# Altium PCB PCB1.PcbDoc
Units mm, origin at the board's own origin, x right, y up, seen from the top; angles counter-clockwise.
Board outline 84 x 54 mm, 2 copper layers (Top Layer, Bottom Layer); 85 components, 64 nets, 415 pads, 80 vias.
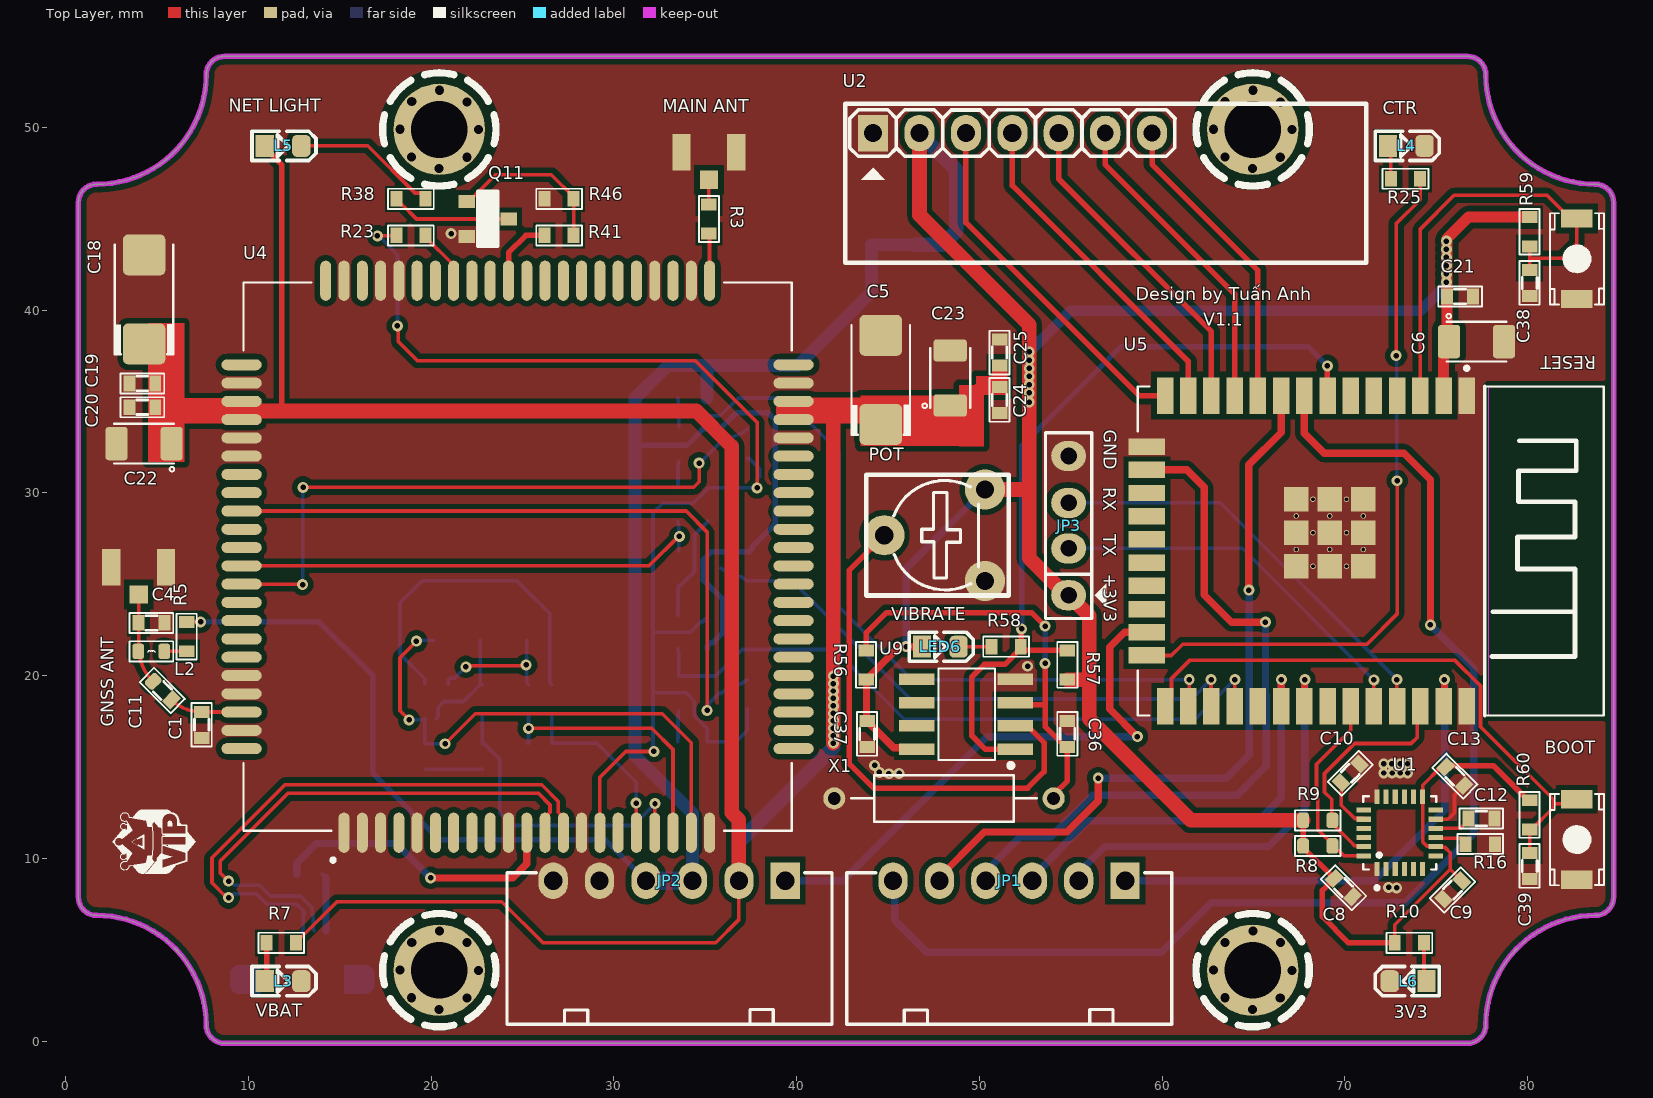
[diagram p0: Top Layer view]
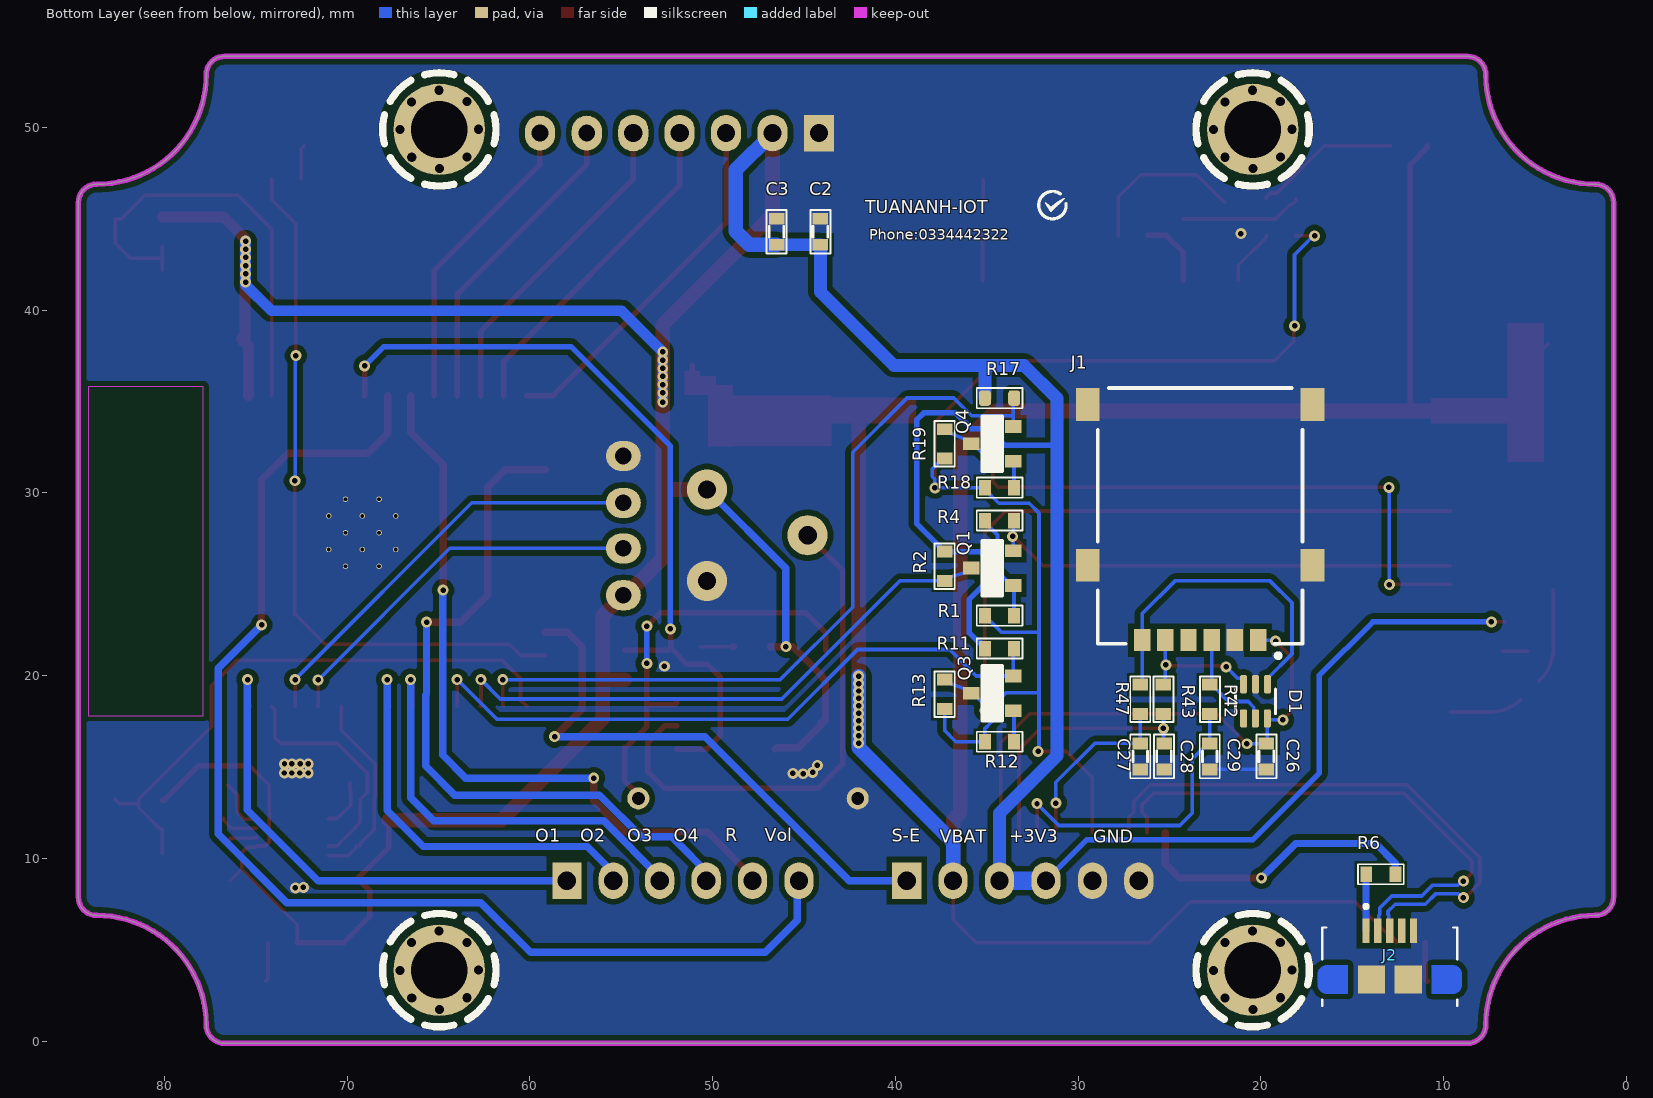
[diagram p1: Bottom Layer view, seen from below]
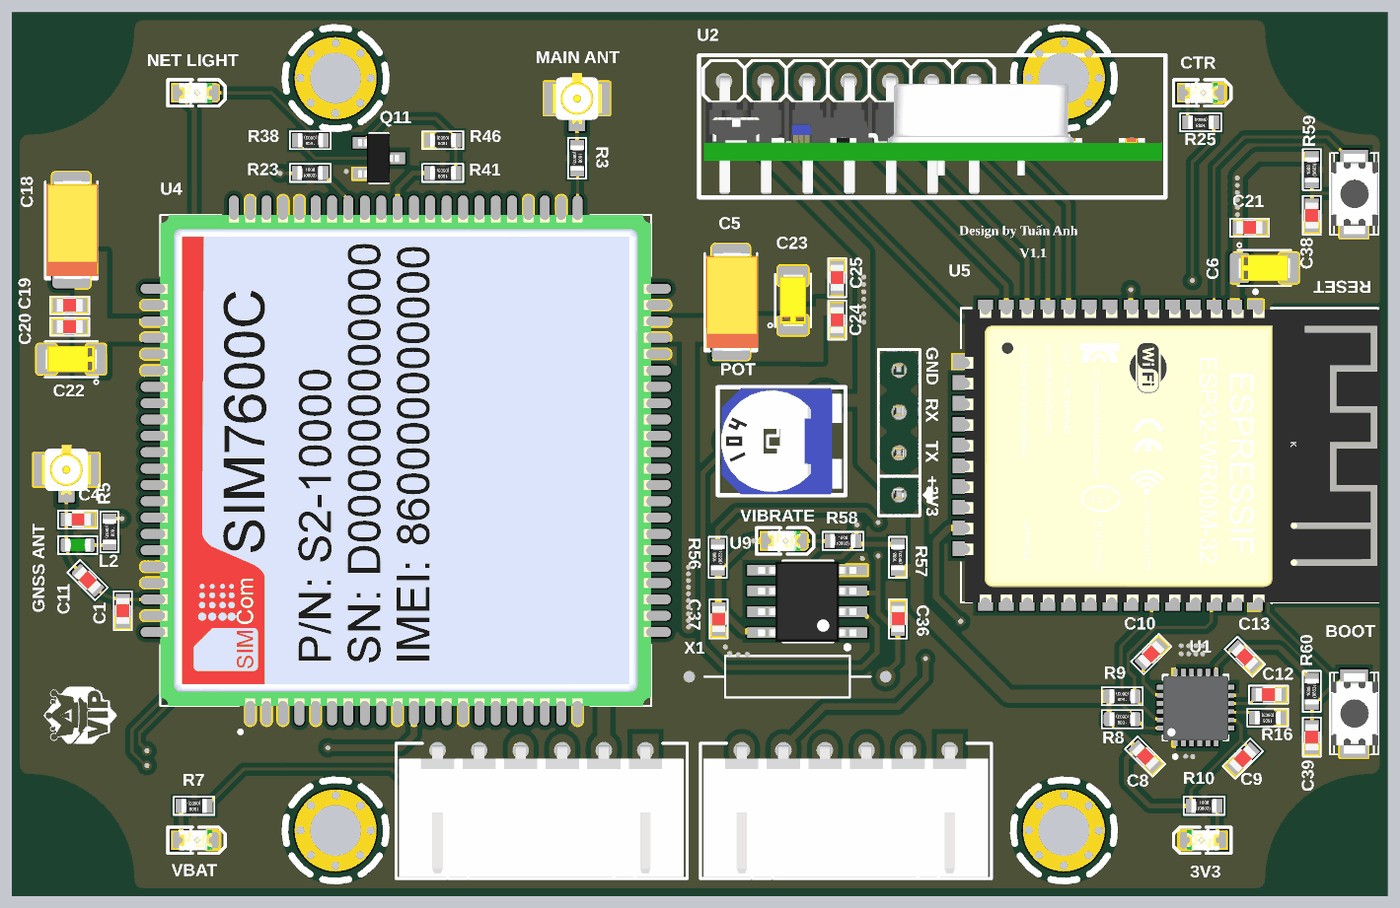
[diagram p2: 3D render of the assembled board from above, using the file's embedded part models]
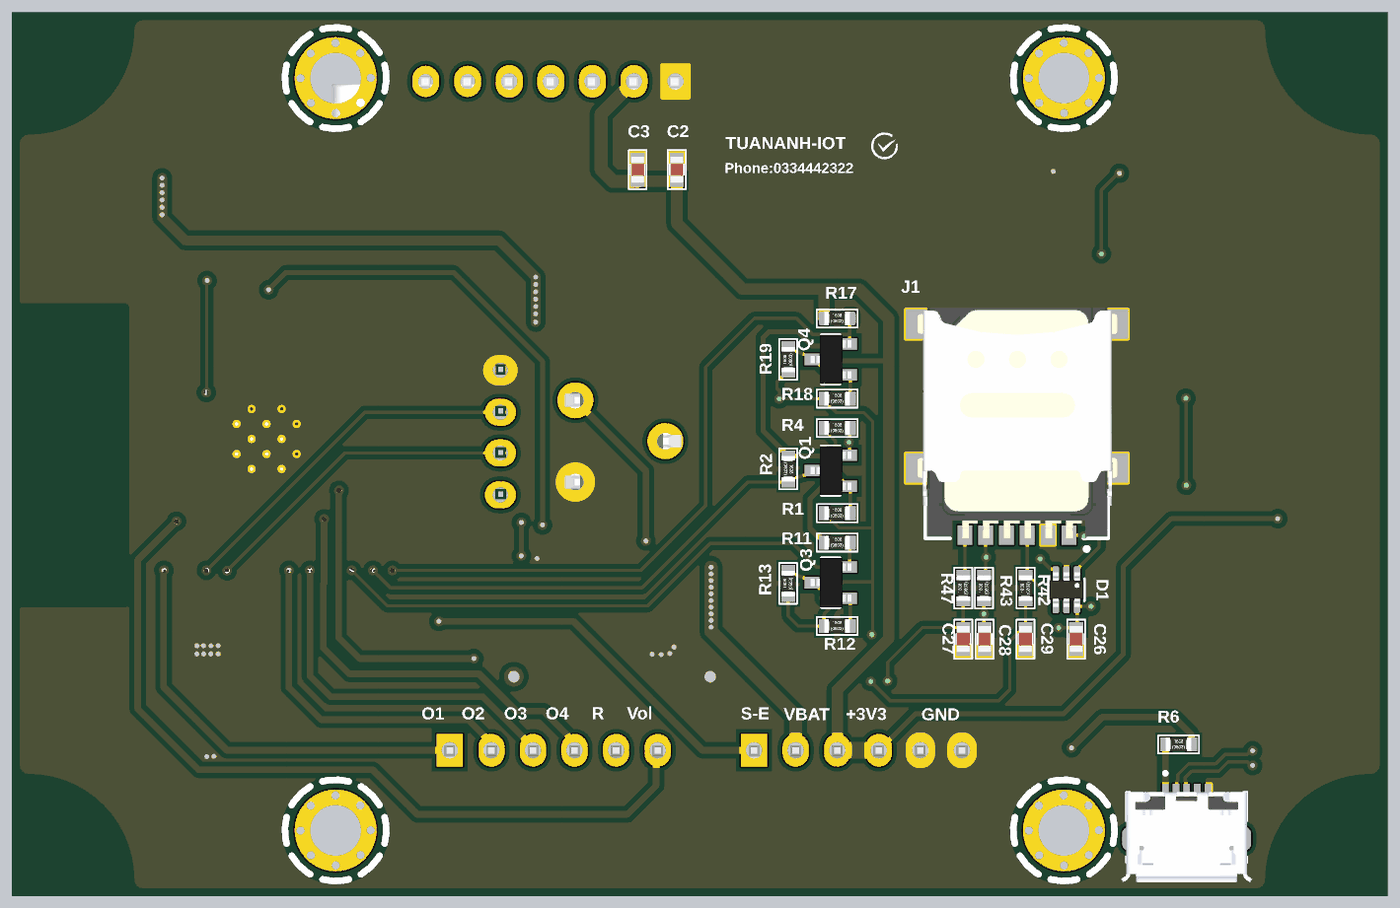
[diagram p3: 3D render of the assembled board from below, using the file's embedded part models]

## Layer stack, top to bottom
Top Solder: solder mask 0.0102, Solder Resist, Dk 3.5
Top Layer: signal copper 0.0356
Dielectric 1: dielectric 0.32, FR-4, Dk 4.8
Bottom Layer: signal copper 0.0356
Bottom Solder: solder mask 0.0102, Solder Resist, Dk 3.5

## Board outline
0.7,7.89 ccw(c1.7,7.89) 1.7,6.89 cw(c1.7,0.89) 7.7,0.89 ccw(c8.7,0.89) 8.7,-0.11 76.7,-0.11 ccw(c76.7,0.89) 77.7,0.89 cw(c83.7,0.89) 83.7,6.89 ccw(c83.7,7.89) 84.7,7.89 84.7,45.89 ccw(c83.7,45.89) 83.7,46.89 cw(c83.7,52.89) 77.7,52.89 ccw(c76.7,52.89) 76.7,53.89 8.7,53.89 ccw(c8.7,52.89) 7.7,52.89 cw(c1.7,52.89) 1.7,46.89 ccw(c1.7,45.89) 0.7,45.89

## Design rules (kind name [scope] priority, off if disabled: settings)
Clearance [All] p1: gap=0.2 ignorepadtopadclearanceinfootprint=FALSE
DiffPairsRouting [All] p1: maxlimit=0.254 minlimit=0.2 mostfreqgap=0.254 toplayer_minwidth=0.2 toplayer_maxwidth=0.381 toplayer_prefwidth=0.381 bottomlayer_minwidth=0.2 bottomlayer_maxwidth=0.381 bottomlayer_prefwidth=0.381 maxuncoupledlength=12.7
PlaneConnect [All] p1: planeconnectstyle=Direct reliefexpansion=0.508 reliefentries=4 reliefconductorwidth=0.254 reliefairgap=0.254
PolygonConnect [All] p1: connectstyle=Direct reliefconductorwidth=0.254 reliefentries=4 polygonreliefangle="90 Angle" airgapwidth=0.254
RoutingVias [All] p1: holewidth=0.2 width=0.6 viastyle="Through Hole" minholewidth=0.2 minwidth=0.6 maxholewidth=0.3 maxwidth=0.6
SolderMaskExpansion [All] p1: expansion=0.102 istentingtop=FALSE
Width [All] p1: maxlimit=3 minlimit=0.2 preferedwidth=0.4
28 further rules are at their usual default settings.

## Classes and differential pairs
differential pair NewDifferentialPair1: +D+ -D-

## Components (designator, comment, footprint, x,y, rotation, side; value= is the part's Value field where it differs from the comment)
BOOT "SW" BUTTON_3X4MM_2PIN 82.68,8.839 r90 top (schematic designator BOOT1)
C1 "NC" CAP-0603#1 7.451,17.315 r90 top value=0,047uF
C2 "4.7uF" CAP-0603#1 44.1,44.29 r90 bottom value=0,047uF
C3 "100nF" CAP-0603#1 46.5,44.29 r90 bottom value=0,047uF
C4 "NC" CAP-0603#1 4.7,22.89 r180 top value=0,047uF
C5 "220uF" "CAP-TANTALUM-2312 - ( 6032M )" 44.6,36.19 r90 top
C6 "1uF/16v" "CAP-TANTALUM-1206 - ( 3216 )" 77.2,38.29 r0 top
C8 "0.01uF" CAP-0603#1 69.915,8.41 r315 top value=0,047uF
C9 "1uF" CAP-0603#1 75.884,8.283 r225 top value=0,047uF
C10 "2200pF/2.2nF" CAP-0603#1 70.29,14.67 r225 top value=0,047uF
C11 "33pF" CAP-0603#2 5.3,19.19 r135 top value=0,047uF
C12 "0.1uF" CAP-0603#1 77.46,12.19 r180 top value=0,047uF
C13 "0.1uF" CAP-0603#1 76.011,14.506 r135 top value=0,047uF
C18 "220uF" "CAP-TANTALUM-2312 - ( 6032M )" 4.3,40.59 r90 top
C19 "100nF" CAP-0603#1 4.2,35.99 r0 top value=0,047uF
C20 "1uF" CAP-0603#1 4.2,34.69 r0 top value=0,047uF
C21 "100nF" CAP-0603#1 76.29,40.75 r0 top value=0,047uF
C22 "100uF" "CAP-TANTALUM-1206 - ( 3216 )" 4.3,32.69 r180 top
C23 "100uF/6.3v" "CAP-TANTALUM-1206 - ( 3216 )" 48.39,36.295 r90 top
C24 "1uF" CAP-0603#1 51.1,35.09 r90 top value=0,047uF
C25 "0.01uF" CAP-0603#1 51.1,37.69 r270 top value=0,047uF
C26 "100nF" CAP-0603#1 19.7,15.59 r270 bottom value=0,047uF
C27 "22pF" CAP-0603#1 26.6,15.59 r270 bottom value=0,047uF
C28 "22pF" CAP-0603#1 25.3,15.59 r270 bottom value=0,047uF
C29 "22pF" CAP-0603#1 22.8,15.59 r270 bottom value=0,047uF
C36 "100nF" CAP-0603#1 54.81,16.822 r270 top value=0,047uF
C37 "100nF" CAP-0603#1 43.853,16.812 r90 top value=0,047uF
C38 "10uF" CAP-0603#1 80.1,41.49 r90 top value=0,047uF
C39 "10uF" CAP-0603#1 80.1,9.59 r90 top value=0,047uF
D1 "SMF05C" SOT-363 20.3,18.59 r270 bottom
"GNSS ANT" "IPEX" IPEX-ANTEN 4.1,25.89 r0 top
J1 "SIM8060-6-0-14-00-A" NanoSim_BKK 23.326,28.745 r0 bottom
J2 "MICRO_USB" "MICRO_USB _PAD" 12.95,3.38 r180 bottom
JP1 "XHB-6A" XH2.54-6P_THRU 51.611,8.77 r180 top value=JP7
JP2 "XHB-6A" XH2.54-6P_THRU 33.02,8.77 r180 top value=JP7
JP3 "TTL" JP_4PIN 54.88,26.945 r90 top
L2 "47nH" IN-0603 4.625,21.39 r0 top
L3 "LED" LED_0805_smd 11.8,3.39 r0 top value=Red
L4 "LED" LED_0805_smd 73.254,49.09 r0 top value=Red
L5 "LED" LED_0805_smd 11.8,49.09 r0 top value=BLUE
L6 "LED" LED_0805_smd 73.554,3.19 r180 top value=Red
LED6 "SMD" LED_0805_smd 47.76,21.69 r0 top value=Red
"MAIN ANT" "IPEX" IPEX-ANTEN 35.3,48.59 r0 top
POT "VR?" Pot_trim 47.2,27.69 r270 top
Q1 "MMBT3904-1AM" SOT-23 34.7,25.89 r90 bottom
Q3 "MMBT3904-1AM" SOT-23 34.7,19.04 r90 bottom
Q4 "MMBT3904-1AM" SOT-23 34.7,32.69 r90 bottom
Q11 "C1815" SOT-23 23.1,44.99 r270 top
R1 "4k7" RES-0603#1 34.3,23.29 r180 bottom
R2 "4k7" RES-0603#1 37.3,25.99 r270 bottom
R3 "0R" RES-0603#1 35.2,44.99 r270 top
R4 "47K" RES-0603#1 34.3,28.49 r180 bottom
R5 "10R" RES-0603#1 6.63,22.14 r270 top
R6 "1K" RES-0603#1 13.44,9.14 r180 bottom
R7 "1K" RES-0603#1 11.8,5.39 r180 top
R8 "4.7K" RES-0603#2 68.51,10.69 r180 top
R9 "4.7K" RES-0603#2 68.51,12.09 r180 top
R10 "1K" RES-0603#1 73.52,5.39 r0 top
R11 "47K" RES-0603#1 34.3,21.49 r180 bottom
R12 "4K7" RES-0603#1 34.3,16.39 r180 bottom
R13 "4K7" RES-0603#1 37.3,18.99 r90 bottom
R16 "4.7K" RES-0603#1 77.4,10.79 r180 top
R17 "47K" RES-0603#2 34.3,35.19 r180 bottom
R18 "4k7" RES-0603#1 34.3,30.29 r180 bottom
R19 "4K7" RES-0603#1 37.3,32.69 r90 bottom
R23 "1K" RES-0603#1 18.9,44.09 r0 top
R25 "1K" RES-0603#1 73.31,47.19 r180 top
R38 "1K" RES-0603#1 18.9,46.09 r180 top
R41 "4K7" RES-0603#1 27,44.09 r180 top
R42 "22R" RES-0603#1 22.791,18.712 r90 bottom
R43 "22R" RES-0603#1 25.331,18.712 r90 bottom
R46 "47K" RES-0603#1 27,46.09 r180 top
R47 "22R" RES-0603#1 26.601,18.712 r90 bottom
R56 "10K" RES-0603#1 43.8,20.59 r90 top
R57 "10K" RES-0603#1 54.81,20.59 r90 top
R58 "1K" RES-0603#1 51.46,21.59 r0 top
R59 "10K" RES-0603#1 80.1,44.29 r90 top
R60 "10K" RES-0603#1 80.1,12.39 r90 top
RESET "SW" BUTTON_3X4MM_2PIN 82.68,40.612 r90 top (schematic designator RESET1)
U1 "MPU-6050" QFN-24 73,11.39 r90 top
U2 "RX480E" RX480E 62.86,45.69 r180 top
U4 "SIM7600CE" SIM7600C 24.805,26.036 r90 top
U5 "ESP32-WROOM-32" ESP32-WROOM-32D 68.795,48.968 r270 top
U9 "LM393D" SOIC-8 49.26,17.89 r180 top
X1 "SW-420" SW-420 48.06,13.29 r180 top

## Footprints (in the part's own frame and the unit in brackets; to place one, negate y for a bottom-side part, rotate by r counter-clockwise, add the part's x,y. Pads: shape width x height; smd on the part's side, far side on the other; paste and mask are expansions set on the pad)
BUTTON_3X4MM_2PIN [mm]
  rect 1x1.7 smd: 1(0,0) 2(4.4,0)
  silkscreen extent -0.3,-1.49 4.7,1.47, body extent -0.25,-1.48 4.65,1.42, height 2
CAP-0603#1 [mm]
  rect 0.65x0.85 smd: 1(-0.71,0) 2(0.71,0)
  silkscreen extent -1.19,-0.55 1.2,0.55, body extent -0.8,-0.4 0.8,0.4, height 0.3
CAP-0603#2 [mm]
  rect 0.65x0.85 smd: 1(-0.71,0)
  rrect50% 0.65x0.85 smd: 2(0.71,0)
  silkscreen extent -1.19,-0.55 1.2,0.55, body extent -0.8,-0.4 0.8,0.4, height 0.3
"CAP-TANTALUM-1206 - ( 3216 )" [mm]
  rrect25% 1.2x1.82 smd: 1(-1.505,-0.01) 2(1.505,-0.01)
  silkscreen extent -1.65,-1.1 1.63,1.51, body extent -1.6,-0.81 1.6,0.79, height 1.8
"CAP-TANTALUM-2312 - ( 6032M )" [mm]
  rrect25% 2.24x2.32 smd: 1(-2.435,0) 2(2.435,0)
  silkscreen extent -3,-1.6 3,1.6, body extent -2.99,-1.66 3.01,1.54, height 2.8
ESP32-WROOM-32D [mm]
  rect 2x0.9 smd: 1(13.643,7.87) 2(13.643,6.6) 3(13.643,5.33) 4(13.643,4.06) 5(13.643,2.79) 6(13.643,1.52) 7(13.643,0.25) 8(13.643,-1.02) 9(13.643,-2.29) 10(13.643,-3.56) 11(13.643,-4.83) 12(13.643,-6.1) 13(13.643,-7.37) 14(13.643,-8.64) 25(30.643,-8.64) 26(30.643,-7.37) 27(30.643,-6.1) 28(30.643,-4.83) 29(30.643,-3.56) 30(30.643,-2.29) 31(30.643,-1.02) 32(30.643,0.25) 33(30.643,1.52) 34(30.643,2.79) 35(30.643,4.06) 36(30.643,5.33) 37(30.643,6.6) 38(30.643,7.87)
  rect 0.9x2 smd: 15(16.428,-9.64) 16(17.698,-9.64) 17(18.968,-9.64) 18(20.238,-9.64) 19(21.508,-9.64) 20(22.778,-9.64) 21(24.048,-9.64) 22(25.318,-9.64) 23(26.588,-9.64) 24(27.858,-9.64)
  rect 1.33x1.33 smd: 39(19.308,-1.465) 39(19.308,0.37) 39(19.308,2.205) 39(21.143,-1.465) 39(21.143,0.37) 39(21.143,2.205) 39(22.978,-1.465) 39(22.978,0.37) 39(22.978,2.205)
  round 0.3 hole 0.2: 39(19.308,-0.547) 39(19.308,1.288) 39(20.226,-1.465) 39(20.226,0.37) 39(20.226,2.205) 39(21.143,-0.547) 39(21.143,1.288) 39(22.061,-1.465) 39(22.061,0.37) 39(22.061,2.205) 39(22.978,-0.547) 39(22.978,1.288)
  Keep-Out Layer region: 31.143,9.06 13.143,9.06 13.143,15.36 31.143,15.36
  silkscreen extent 12.04,-10.14 31.14,15.36, body extent 13.24,-9.89 31.14,15.51, height 2.64
IN-0603 [mm]
  rrect50% 0.65x0.85 smd: 1(-0.645,-0.055) 2(0.775,-0.055)
  silkscreen extent -1.12,-0.6 1.27,0.5, body extent -0.73,-0.44 0.87,0.36, height 0.81
IPEX-ANTEN [mm]
  rect 1x2 smd: 1(-1.6,0.05) 3(1.4,0.05)
  rect 1x1 smd: 2(-0.1,-1.45)
  body extent -1.6,-1.5 1.4,1.6, height 1.25
JP_4PIN [mil] "Jumper 4"
  oval 65x75 hole 36 mask+4: 1(-100,0) 2(1,0) 3(99,0) 4(200,0)
  silkscreen extent -150,-81 250,50, body extent -148,-48 248,50, height 323
LED_0805_smd [mm]
  rect 1x1.2 smd paste-2 mask+0.075: 1(-0.9,-0.1)
  rrect50% 1x1.2 smd paste-2 mask+0.075: 2(1.1,-0.1)
  silkscreen extent -1.6,-0.9 1.9,0.7, body extent -0.9,-0.73 1.1,0.53, height 0.7
"MICRO_USB _PAD" [mm]
  rect 0.4x1.35 smd: 1(-1.3,2.675) 2(-0.65,2.675) 3(0,2.675) 4(0.65,2.675) 5(1.3,2.675)
  rect 1.5x1.55 smd: SH2(1,0) SH3(-1,0)
  Top Layer region: 3.471,0.774 3.497,0.772 3.523,0.769 3.549,0.764 3.574,0.758 3.6,0.751 3.624,0.742 3.648,0.732 3.672,0.721 3.695,0.708 3.717,0.694 3.739,0.68 3.76,0.664 3.78,0.647 3.799,0.629 3.817,0.61 3.834,0.59 3.85,0.569 3.864,0.547 3.878,0.525 3.891,0.502 3.902,0.478 3.912,0.454 3.921,0.43 3.928,0.404 3.934,0.379 3.939,0.353 3.942,0.327 3.944,0.301 3.945,0.275 3.945,-0.275 3.944,-0.301 3.942,-0.327 3.939,-0.353 3.934,-0.379 3.928,-0.404 3.921,-0.43 3.912,-0.454 3.902,-0.478 3.891,-0.502 3.878,-0.525 3.864,-0.547 3.85,-0.569 3.834,-0.59 3.817,-0.61 3.799,-0.629 3.78,-0.647 3.76,-0.664 3.739,-0.68 3.717,-0.694 3.695,-0.708 3.672,-0.721 3.648,-0.732 3.624,-0.742 3.6,-0.751 3.574,-0.758 3.549,-0.764 3.523,-0.769 3.497,-0.772 3.471,-0.774 3.445,-0.775 2.3,-0.775 2.3,0.775 3.445,0.775
  Top Layer region: -2.3,-0.775 -3.445,-0.775 -3.471,-0.774 -3.497,-0.772 -3.523,-0.769 -3.549,-0.764 -3.574,-0.758 -3.6,-0.751 -3.624,-0.742 -3.648,-0.732 -3.672,-0.721 -3.695,-0.708 -3.717,-0.694 -3.739,-0.68 -3.76,-0.664 -3.78,-0.647 -3.799,-0.629 -3.817,-0.61 -3.834,-0.59 -3.85,-0.569 -3.864,-0.547 -3.878,-0.525 -3.891,-0.502 -3.902,-0.478 -3.912,-0.454 -3.921,-0.43 -3.928,-0.404 -3.934,-0.379 -3.939,-0.353 -3.942,-0.327 -3.944,-0.301 -3.945,-0.275 -3.945,0.275 -3.944,0.301 -3.942,0.327 -3.939,0.353 -3.934,0.379 -3.928,0.404 -3.921,0.43 -3.912,0.454 -3.902,0.478 -3.891,0.502 -3.878,0.525 -3.864,0.547 -3.85,0.569 -3.834,0.59 -3.817,0.61 -3.799,0.629 -3.78,0.647 -3.76,0.664 -3.739,0.68 -3.717,0.694 -3.695,0.708 -3.672,0.721 -3.648,0.732 -3.624,0.742 -3.6,0.751 -3.574,0.758 -3.549,0.764 -3.523,0.769 -3.497,0.772 -3.471,0.774 -3.445,0.775 -2.3,0.775
  silkscreen extent -3.7,-1.45 3.7,4.1, body extent -4.02,-2.68 4.02,2.85, height 3.22
NanoSim_BKK [mm]
  rect 0.9x1.2 smd: C1(-3.175,6.8) C2(-0.635,6.8) C3(1.905,6.8) C5(-1.905,6.8) C6(0.635,6.8) C7(3.175,6.8)
  rect 1.3x1.8 smd: C5(-6.15,-6.1) C5(-6.15,2.7) C5(6.15,-6.1) C5(6.15,2.7)
  silkscreen extent -5.6,-7 5.6,7.76, body extent -6.14,-7.1 6.06,7, height 1.41
Pot_trim [mm]
  round 2.2 hole 1 mask+0.102: 1(2.5,3.1) 2(0,-2.4) 3(-2.5,3.1)
  silkscreen extent -3.3,-3.4 3.3,4.4, body extent -3.25,-3.37 3.25,4.2, height 7.8
QFN-24 [mm]
  rect 0.79x0.28 smd: 1(-1.961,1.25) 2(-1.961,0.75) 3(-1.961,0.25) 4(-1.961,-0.25) 5(-1.961,-0.75) 6(-1.961,-1.25) 13(1.979,-1.25) 14(1.979,-0.75) 15(1.979,-0.25) 16(1.979,0.25) 17(1.979,0.75) 18(1.979,1.25)
  rect 0.28x0.79 smd: 7(-1.241,-1.97) 8(-0.741,-1.97) 9(-0.241,-1.97) 10(0.259,-1.97) 11(0.759,-1.97) 12(1.259,-1.97) 19(1.259,1.97) 20(0.759,1.97) 21(0.259,1.97) 22(-0.241,1.97) 23(-0.741,1.97) 24(-1.241,1.97)
  silkscreen extent -3.09,-2 2.01,2, body extent -2.01,-2.02 1.99,1.98, height 0.92
RES-0603#1 [mm] "Chip Resistor, Body 1.6x0.8mm, IPC High Density"
  rect 0.65x0.85 smd: 1(-0.8,0) 2(0.8,0)
  silkscreen extent -1.25,-0.55 1.25,0.55, body extent -0.78,-0.42 0.77,0.43, height 0.45
RES-0603#2 [mm] "Chip Resistor, Body 1.6x0.8mm, IPC High Density"
  rrect50% 0.65x0.85 smd: 1(-0.8,0) 2(0.8,0)
  silkscreen extent -1.25,-0.55 1.25,0.55, body extent -0.78,-0.42 0.77,0.43, height 0.45
RX480E [mm]
  rect 1.65x2 hole 1 mask+0.102: 1(18.68,-4)
  oval 1.65x2 hole 1 mask+0.102: 2(16.14,-4) 3(13.6,-4) 4(11.06,-4) 5(8.52,-4)
  oval 1.651x1.905 hole 0.914 mask+0.102: 6(5.98,-4) 7(3.415,-4)
  silkscreen extent -8.3,-5.6 20.2,3.1, body extent -8.1,-4.29 19.9,2.88, height 12.15
SIM7600C [mm]
  oval 2.2x0.6 smd: 1(-14.622,9.569) 2(-14.622,8.569) 3(-14.622,7.569) 4(-14.622,6.569) 5(-14.622,5.569) 6(-14.622,4.569) 7(-14.622,3.569) 8(-14.622,2.569) 9(-14.622,1.569) 10(-14.622,0.569) 11(-14.622,-0.431) 12(-14.622,-1.431) 13(-14.622,-2.431) 14(-14.622,-3.431) 15(-14.622,-4.431) 16(-14.622,-5.431) 17(-14.622,-6.431) 18(-14.622,-7.431) 19(-14.622,-8.431) 20(-14.622,-9.431) 41(15.578,-9.431) 42(15.578,-8.431) 43(15.578,-7.431) 44(15.578,-6.431) 45(15.578,-5.431) 46(15.578,-4.431) 47(15.578,-3.431) 48(15.578,-2.431) 49(15.578,-1.431) 50(15.578,-0.431) 51(15.578,0.569) 52(15.578,1.569) 53(15.578,2.569) 54(15.578,3.569) 55(15.578,4.569) 56(15.578,5.569) 57(15.578,6.569) 58(15.578,7.569) 59(15.578,8.569) 60(15.578,9.569) 81(-14.622,-10.431) 82(15.578,-10.431) 85(15.578,10.569)